# Altium PCB MiniSystem-Pcb-All.PcbDoc (part 4 of 8) (continued)
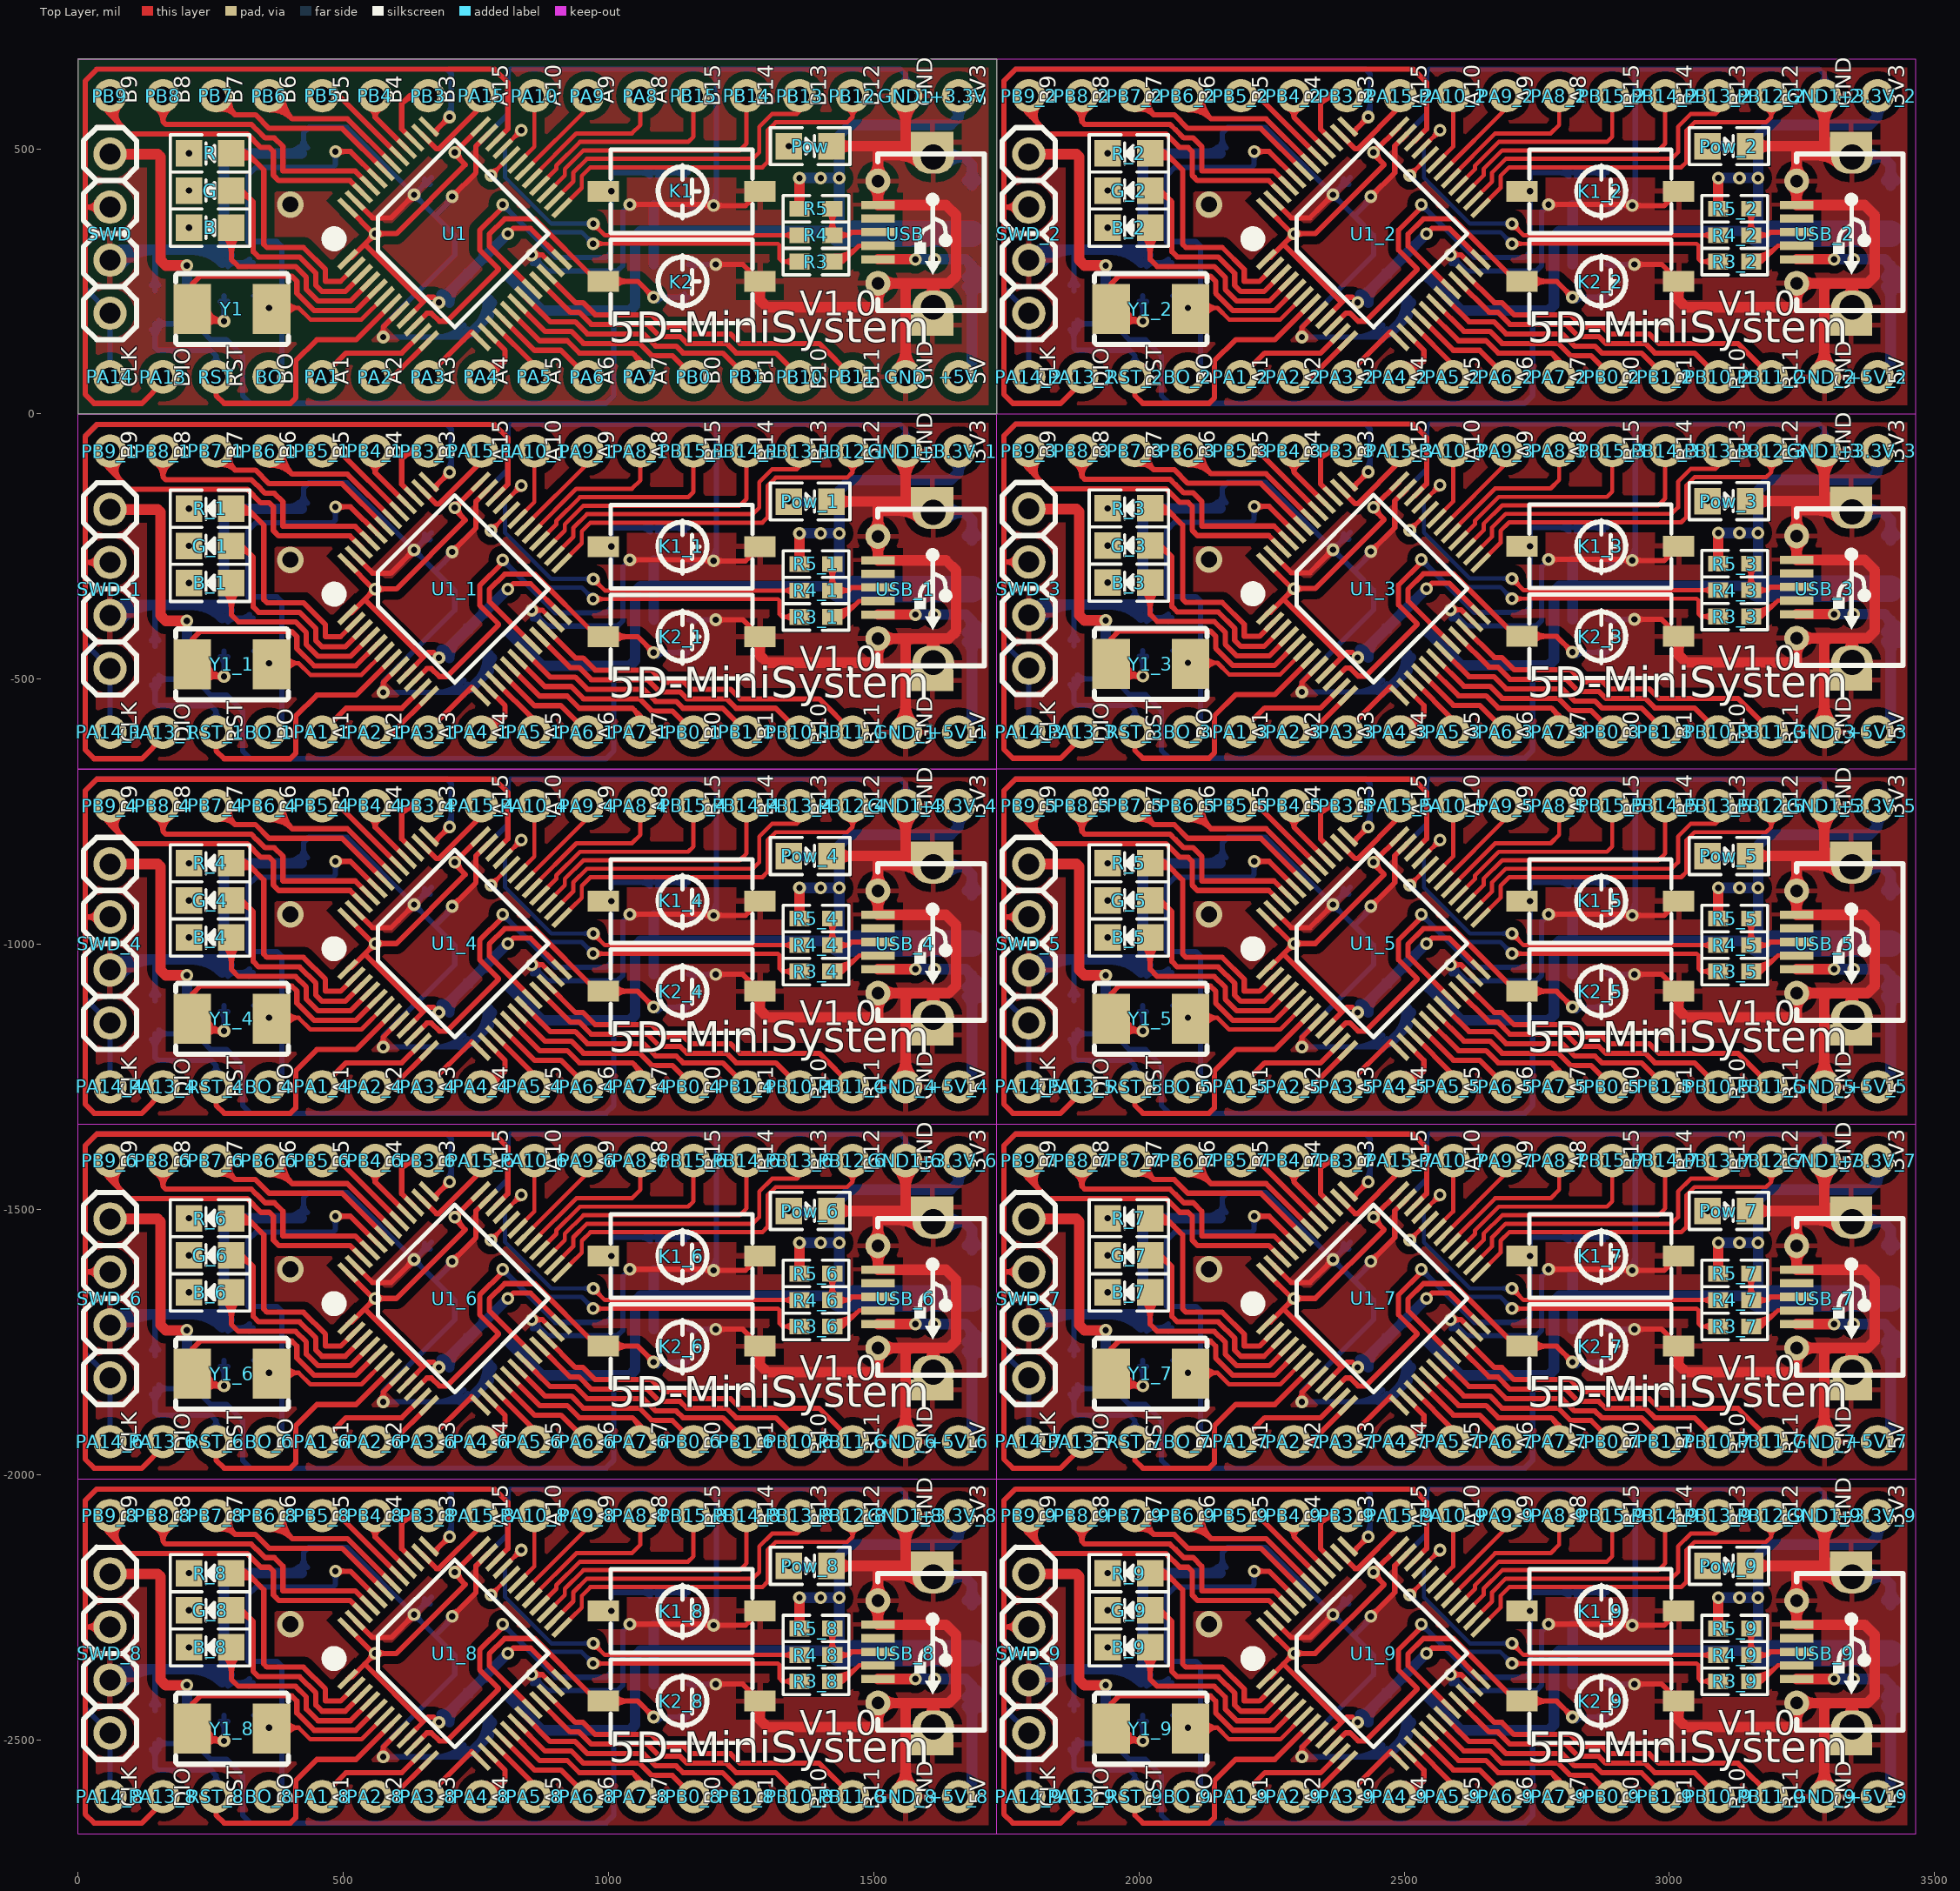
[diagram p0: Top Layer view]
## Nets (pads, with @x,y where several pads share a name; then routed paths per layer and width w, separated by ;. In a path a pad name is that pad's centre, name@x,y a point inside that pad or via, vN(x,y) a via of type N, cw(c..) or ccw(c..) an arc to the next point about the centre after c; other vN are vias at no path point) (continued)
805,-2577.17 ; 771.18,-1913.85 ccw(c783.82,-1886.69) 805,-1907.88 ; 771.18,-1244.56 ccw(c783.82,-1217.4) 805,-1238.58 ; 771.18,-575.98 ccw(c783.82,-548.82) 805,-570 ; 772.64,-2525.08 805,-2557.44 805,-2577.17 ; 772.64,-1186.5 805,-1218.86 805,-1238.58 ; 772.64,-517.91 805,-550.28 805,-570 ; 786.5,-2607.17 cw(c814.25,-2607.17) 794.62,-2587.54 ; 786.5,-1937.87 cw(c814.25,-1937.87) 794.62,-1918.25 ; 786.5,-1268.58 cw(c814.25,-1268.58) 794.62,-1248.96 ; 786.5,-600 cw(c814.25,-600) 794.62,-580.38 ; 786.56,-2511.16 860,-2584.6 860,-2607.17 ; 786.56,-1841.87 860,-1915.31 860,-1937.87 ; 786.56,-1172.58 860,-1246.02 860,-1268.58 ; 786.56,-503.99 860,-577.44 860,-600 ; 792.54,-2403.41 757,-2367.86 757,-2330.77 v1@800,-2287.77 ; 792.54,-1734.12 757,-1698.57 757,-1661.48 v1@800,-1618.48 ; 792.54,-1064.83 757,-1029.28 757,-992.19 v1@800,-949.19 ; 792.54,-396.24 757,-360.7 757,-323.6 v1@800,-280.6 ; 800.48,-2497.24 860.4,-2557.17 910,-2557.17 960,-2607.17 ; 800.48,-1827.95 860.4,-1887.87 910,-1887.87 960,-1937.87 ; 800.48,-1158.66 860.4,-1218.58 910,-1218.58 960,-1268.58 ; 800.48,-490.07 860.4,-550 910,-550 960,-600 ; v1(810,-2337.17) 820,-2327.17 853.11,-2327.17 911.83,-2385.88 ; v1(810,-1667.87) 820,-1657.87 853.11,-1657.87 911.83,-1716.59 ; v1(810,-998.58) 820,-988.58 853.11,-988.58 911.83,-1047.3 ; v1(810,-330) 820,-320 853.11,-320 911.83,-378.72 ; 814.4,-2483.32 870.24,-2539.17 922,-2539.17 945,-2562.17 1045,-2562.17 1060,-2577.17 1060,-2607.17 ; 814.4,-1814.03 870.24,-1869.87 922,-1869.87 945,-1892.87 1045,-1892.87 1060,-1907.87 1060,-1937.87 ; 814.4,-1144.74 870.24,-1200.58 922,-1200.58 945,-1223.58 1045,-1223.58 1060,-1238.58 1060,-1268.58 ; 814.4,-476.15 870.24,-532 922,-532 945,-555 1045,-555 1060,-570 1060,-600 ; 828.31,-2469.4 880.08,-2521.17 929.46,-2521.17 952.46,-2544.17 1058.51,-2544.17 1081.51,-2567.17 1120,-2567.17 1160,-2607.17 ; 828.31,-1800.11 880.08,-1851.87 929.46,-1851.87 952.46,-1874.87 1058.51,-1874.87 1081.51,-1897.87 1120,-1897.87 1160,-1937.87 ; 828.31,-1130.82 880.08,-1182.58 929.46,-1182.58 952.46,-1205.58 1058.51,-1205.58 1081.51,-1228.58 1120,-1228.58 1160,-1268.58 ; 828.31,-462.24 880.08,-514 929.46,-514 952.46,-537 1058.51,-537 1081.51,-560 1120,-560 1160,-600 ; 842.23,-2455.48 889.92,-2503.17 936.91,-2503.17 959.91,-2526.17 1065.97,-2526.17 1088.97,-2549.17 1127.46,-2549.17 1140.46,-2562.17 1215,-2562.17 1260,-2607.17 ; 842.23,-1786.19 889.92,-1833.87 936.91,-1833.87 959.91,-1856.87 1065.97,-1856.87 1088.97,-1879.87 1127.46,-1879.87 1140.46,-1892.87 1215,-1892.87 1260,-1937.87 ; 842.23,-1116.9 889.92,-1164.58 936.91,-1164.58 959.91,-1187.58 1065.97,-1187.58 1088.97,-1210.58 1127.46,-1210.58 1140.46,-1223.58 1215,-1223.58 1260,-1268.58 ; 842.23,-448.32 889.92,-496 936.91,-496 959.91,-519 1065.97,-519 1088.97,-542 1127.46,-542 1140.46,-555 1215,-555 1260,-600 ; v1(855,-2377.17) 875.27,-2377.17 897.91,-2399.8 ; v1(855,-1707.87) 875.27,-1707.87 897.91,-1730.51 ; v1(855,-1038.58) 875.27,-1038.58 897.91,-1061.22 ; v1(855,-370) 875.27,-370 897.91,-392.64 ; 856.15,-2441.56 775,-2360.41 775,-2338.22 804.06,-2309.17 860.57,-2309.17 978.57,-2427.17 990,-2427.17 1055,-2427.17 v1(1085,-2457.17) ; 856.15,-1772.27 775,-1691.12 775,-1668.93 804.06,-1639.87 860.57,-1639.87 978.57,-1757.87 990,-1757.87 1055,-1757.87 v1(1085,-1787.87) ; 856.15,-1102.98 775,-1021.83 775,-999.64 804.06,-970.58 860.57,-970.58 978.57,-1088.58 990,-1088.58 1055,-1088.58 v1(1085,-1118.58) ; 856.15,-434.4 775,-353.24 775,-331.06 804.06,-302 860.57,-302 978.57,-420 990,-420 1055,-420 v1(1085,-450) ; v1@859.95,-2382.12 cw(c871.9,-2394.06) 871.9,-2377.17 cw(c871.9,-2360.27) v1@859.95,-2372.22 ; v1@859.95,-1712.82 cw(c871.9,-1724.77) 871.9,-1707.87 cw(c871.9,-1690.97) v1@859.95,-1702.92 ; v1@859.95,-1043.53 cw(c871.9,-1055.48) 871.9,-1038.58 cw(c871.9,-1021.68) v1@859.95,-1033.63 ; v1@859.95,-374.95 cw(c871.9,-386.9) 871.9,-370 cw(c871.9,-353.1) v1@859.95,-365.05 ; 870.07,-2427.64 927.6,-2485.17 944.37,-2485.17 967.37,-2508.17 1073.42,-2508.17 1096.42,-2531.17 1134.91,-2531.17 1147.91,-2544.17 1222.46,-2544.17 1240.46,-2562.17 1315,-2562.17 1360,-2607.17 ; 870.07,-1758.35 927.6,-1815.87 944.37,-1815.87 967.37,-1838.87 1073.42,-1838.87 1096.42,-1861.87 1134.91,-1861.87 1147.91,-1874.87 1222.46,-1874.87 1240.46,-1892.87 1315,-1892.87 1360,-1937.87 ; 870.07,-1089.06 927.6,-1146.58 944.37,-1146.58 967.37,-1169.58 1073.42,-1169.58 1096.42,-1192.58 1134.91,-1192.58 1147.91,-1205.58 1222.46,-1205.58 1240.46,-1223.58 1315,-1223.58 1360,-1268.58 ; 870.07,-420.48 927.6,-478 944.37,-478 967.37,-501 1073.42,-501 1096.42,-524 1134.91,-524 1147.91,-537 1222.46,-537 1240.46,-555 1315,-555 1360,-600 ; 883.99,-2413.72 937.44,-2467.17 951.82,-2467.17 974.82,-2490.17 1080.88,-2490.17 1103.88,-2513.17 1142.37,-2513.17 1155.37,-2526.17 1229.91,-2526.17 1247.91,-2544.17 1397,-2544.17 1460,-2607.17 ; 883.99,-1744.43 937.44,-1797.87 951.82,-1797.87 974.82,-1820.87 1080.88,-1820.87 1103.88,-1843.87 1142.37,-1843.87 1155.37,-1856.87 1229.91,-1856.87 1247.91,-1874.87 1397,-1874.87 1460,-1937.87 ; 883.99,-1075.14 937.44,-1128.58 951.82,-1128.58 974.82,-1151.58 1080.88,-1151.58 1103.88,-1174.58 1142.37,-1174.58 1155.37,-1187.58 1229.91,-1187.58 1247.91,-1205.58 1397,-1205.58 1460,-1268.58 ; 883.99,-406.56 937.44,-460 951.82,-460 974.82,-483 1080.88,-483 1103.88,-506 1142.37,-506 1155.37,-519 1229.91,-519 1247.91,-537 1397,-537 1460,-600 ; 1010.23,-2437.55 cw(c1035.3,-2462.62) 1035.3,-2427.17 cw(c1035.3,-2391.71) 1010.23,-2416.78 ; 1010.23,-1768.26 cw(c1035.3,-1793.33) 1035.3,-1757.87 cw(c1035.3,-1722.42) 1010.23,-1747.49 ; 1010.23,-1098.97 cw(c1035.3,-1124.04) 1035.3,-1088.58 cw(c1035.3,-1053.13) 1010.23,-1078.2 ; 1010.23,-430.38 cw(c1035.3,-455.45) 1035.3,-420 cw(c1035.3,-384.55) 1010.23,-409.62 ; v1(1040,-2282.17) v1@1196,-2282.17 ; v1(1040,-1612.87) v1@1196,-1612.87 ; v1(1040,-943.58) v1@1196,-943.58 ; v1(1040,-275) v1@1196,-275 ; v1@1044.95,-2287.12 cw(c1056.9,-2299.06) 1056.9,-2282.17 cw(c1056.9,-2265.27) v1@1044.95,-2277.22 ; v1@1044.95,-1617.82 cw(c1056.9,-1629.77) 1056.9,-1612.87 cw(c1056.9,-1595.97) v1@1044.95,-1607.92 ; v1@1044.95,-948.53 cw(c1056.9,-960.48) 1056.9,-943.58 cw(c1056.9,-926.68) v1@1044.95,-938.63 ; v1@1044.95,-279.95 cw(c1056.9,-291.9) 1056.9,-275 cw(c1056.9,-258.1) v1@1044.95,-270.05 ; 1048.87,-2566.03 cw(c1026.23,-2588.66) 1054.3,-2604.04 ; 1048.87,-1896.74 cw(c1026.23,-1919.37) 1054.3,-1934.75 ; 1048.87,-1227.45 cw(c1026.23,-1250.08) 1054.3,-1265.46 ; 1048.87,-558.87 cw(c1026.23,-581.5) 1054.3,-596.88 ; 1058.3,-2575.46 cw(c1038.42,-2595.34) 1063.07,-2608.85 ; 1058.3,-1906.17 cw(c1038.42,-1926.05) 1063.07,-1939.56 ; 1058.3,-1236.88 cw(c1038.42,-1256.76) 1063.07,-1270.27 ; 1058.3,-568.3 cw(c1038.42,-588.18) 1063.07,-601.68 ; v1@1078,-2457.17 ccw(c1061.1,-2457.17) 1073.05,-2445.22 ccw(c1085,-2433.27) v1@1085,-2450.17 ; v1@1078,-1787.87 ccw(c1061.1,-1787.87) 1073.05,-1775.92 ccw(c1085,-1763.97) v1@1085,-1780.87 ; v1@1078,-1118.58 ccw(c1061.1,-1118.58) 1073.05,-1106.63 ccw(c1085,-1094.68) v1@1085,-1111.58 ; v1@1078,-450 ccw(c1061.1,-450) 1073.05,-438.05 ccw(c1085,-426.1) v1@1085,-443 ; 1176.27,-2282.17 cw(c1176.27,-2305.89) v1@1193.05,-2289.12 ; 1176.27,-1612.87 cw(c1176.27,-1636.6) v1@1193.05,-1619.82 ; 1176.27,-943.58 cw(c1176.27,-967.31) v1@1193.05,-950.53 ; 1176.27,-275 cw(c1176.27,-298.73) v1@1193.05,-281.95 ; 1185.93,-2282.17 ccw(c1185.93,-2272.09) v1@1193.05,-2279.22 ; 1185.93,-1612.87 ccw(c1185.93,-1602.8) v1@1193.05,-1609.92 ; 1185.93,-943.58 ccw(c1185.93,-933.51) v1@1193.05,-940.63 ; 1185.93,-275 ccw(c1185.93,-264.93) v1@1193.05,-272.05 ; v1(1198,-2284.17) 1258.28,-2284.17 1285.28,-2257.17 ; v1(1198,-1614.87) 1258.28,-1614.87 1285.28,-1587.87 ; v1(1198,-945.58) 1258.28,-945.58 1285.28,-918.58 ; v1(1198,-277) 1258.28,-277 1285.28,-250 ; v1(1202,-2395.17) 1253.28,-2395.17 1285.28,-2427.17 ; v1(1202,-1725.87) 1253.28,-1725.87 1285.28,-1757.87 ; v1(1202,-1056.58) 1253.28,-1056.58 1285.28,-1088.58 ; v1(1202,-388) 1253.28,-388 1285.28,-420 ; v1@1202.95,-2289.12 cw(c1214.9,-2301.06) 1214.9,-2284.17 cw(c1214.9,-2267.27) v1@1202.95,-2279.22 ; v1@1202.95,-1619.82 cw(c1214.9,-1631.77) 1214.9,-1614.87 cw(c1214.9,-1597.97) v1@1202.95,-1609.92 ; v1@1202.95,-950.53 cw(c1214.9,-962.48) 1214.9,-945.58 cw(c1214.9,-928.68) v1@1202.95,-940.63 ; v1@1202.95,-281.95 cw(c1214.9,-293.9) 1214.9,-277 cw(c1214.9,-260.1) v1@1202.95,-272.05 ; v1@1206.95,-2400.12 cw(c1218.9,-2412.06) 1218.9,-2395.17 cw(c1218.9,-2378.27) v1@1206.95,-2390.22 ; v1@1206.95,-1730.82 cw(c1218.9,-1742.77) 1218.9,-1725.87 cw(c1218.9,-1708.97) v1@1206.95,-1720.92 ; v1@1206.95,-1061.53 cw(c1218.9,-1073.48) 1218.9,-1056.58 cw(c1218.9,-1039.68) v1@1206.95,-1051.63 ; v1@1206.95,-392.95 cw(c1218.9,-404.9) 1218.9,-388 cw(c1218.9,-371.1) v1@1206.95,-383.05 ; 1263.14,-2405.03 cw(c1244.34,-2423.83) 1270.78,-2426.67 ; 1263.14,-1735.74 cw(c1244.34,-1754.54) 1270.78,-1757.37 ; 1263.14,-1066.45 cw(c1244.34,-1085.25) 1270.78,-1088.08 ; 1263.14,-397.86 cw(c1244.34,-416.66) 1270.78,-419.5 ; 1263.2,-2279.24 ccw(c1256.31,-2272.36) 1263.94,-2266.3 ; 1263.2,-1609.95 ccw(c1256.31,-1603.07) 1263.94,-1597.01 ; 1263.2,-940.66 ccw(c1256.31,-933.78) 1263.94,-927.72 ; 1263.2,-272.08 ccw(c1256.31,-265.19) 1263.94,-259.14 ; 1267.17,-2409.06 ccw(c1275.43,-2400.79) 1275.43,-2412.48 ; 1267.17,-2275.27 cw(c1275.43,-2283.54) 1275.43,-2271.85 ; 1267.17,-1739.76 ccw(c1275.43,-1731.5) 1275.43,-1743.19 ; 1267.17,-1605.98 cw(c1275.43,-1614.25) 1275.43,-1602.56 ; 1267.17,-1070.47 ccw(c1275.43,-1062.21) 1275.43,-1073.9 ; 1267.17,-936.69 cw(c1275.43,-944.96) 1275.43,-933.27 ; 1267.17,-401.89 ccw(c1275.43,-393.62) 1275.43,-405.32 ; 1267.17,-268.11 cw(c1275.43,-276.38) 1275.43,-264.68 ; 1414.93,-2333.09 ccw(c1397.86,-2316.02) 1422,-2316.02 ccw(c1446.14,-2316.02) 1429.07,-2333.09 ; 1414.93,-2297.24 cw(c1397.86,-2314.31) 1422,-2314.31 cw(c1446.14,-2314.31) 1429.07,-2297.24 ; 1414.93,-1663.8 ccw(c1397.86,-1646.73) 1422,-1646.73 ccw(c1446.14,-1646.73) 1429.07,-1663.8 ; 1414.93,-1627.95 cw(c1397.86,-1645.02) 1422,-1645.02 cw(c1446.14,-1645.02) 1429.07,-1627.95 ; 1414.93,-994.51 ccw(c1397.86,-977.44) 1422,-977.44 ccw(c1446.14,-977.44) 1429.07,-994.51 ; 1414.93,-958.65 cw(c1397.86,-975.72) 1422,-975.72 cw(c1446.14,-975.72) 1429.07,-958.65 ; 1414.93,-325.93 ccw(c1397.86,-308.86) 1422,-308.86 ccw(c1446.14,-308.86) 1429.07,-325.93 ; 1414.93,-290.07 cw(c1397.86,-307.14) 1422,-307.14 cw(c1446.14,-307.14) 1429.07,-290.07 ; 1422,-2290.17 1422,-2340.17 1452,-2340.17 1457.86,-2334.3 1507.84,-2334.3 ; 1422,-1620.87 1422,-1670.87 1452,-1670.87 1457.86,-1665.01 1507.84,-1665.01 ; 1422,-951.58 1422,-1001.58 1452,-1001.58 1457.86,-995.72 1507.84,-995.72 ; 1422,-283 1422,-333 1452,-333 1457.86,-327.14 1507.84,-327.14 ; 1433.07,-2347.24 cw(c1450.14,-2364.31) 1450.14,-2340.17 cw(c1450.14,-2316.02) 1433.07,-2333.09 ; 1433.07,-1677.95 cw(c1450.14,-1695.02) 1450.14,-1670.87 cw(c1450.14,-1646.73) 1433.07,-1663.8 ; 1433.07,-1008.65 cw(c1450.14,-1025.72) 1450.14,-1001.58 cw(c1450.14,-977.44) 1433.07,-994.51 ; 1433.07,-340.07 cw(c1450.14,-357.14) 1450.14,-333 cw(c1450.14,-308.86) 1433.07,-325.93 ; 1768.37,-2298.57 ccw(c1750.28,-2307.2) 1750.28,-2287.17 ; 1768.37,-2275.76 cw(c1750.28,-2267.13) 1750.28,-2287.17 ; 1768.37,-1629.28 ccw(c1750.28,-1637.91) 1750.28,-1617.87 ; 1768.37,-1606.46 cw(c1750.28,-1597.84) 1750.28,-1617.87 ; 1768.37,-959.99 ccw(c1750.28,-968.62) 1750.28,-948.58 ; 1768.37,-937.17 cw(c1750.28,-928.55) 1750.28,-948.58 ; 1768.37,-290.7 ccw(c1750.28,-299.33) 1750.28,-279.29 ; 1768.37,-267.88 cw(c1750.28,-259.25) 1750.28,-279.29 ; 1768.37,378.59 ccw(c1750.28,369.96) 1750.28,390 ; 1768.37,401.41 cw(c1750.28,410.04) 1750.28,390 ; 1789.77,-2074.72 ccw(c1807.69,-2092.19) 1790,-2109.88 ; 1789.77,-1405.43 ccw(c1807.69,-1422.9) 1790,-1440.59 ; 1789.77,-736.14 ccw(c1807.69,-753.6) 1790,-771.3 ; 1789.77,-66.85 ccw(c1807.69,-84.31) 1790,-102.01 ; 1789.77,602.45 ccw(c1807.69,584.98) 1790,567.29 ; 1792.28,-2287.17 1750.28,-2287.17 ; 1792.28,-2077.17 1792.28,-2112.17 1828.98,-2148.87 2051.03,-2148.87 2076.83,-2174.66 2092.78,-2174.66 2100.28,-2182.17 2100.28,-2226.62 ; 1792.28,-1617.87 1750.28,-1617.87 ; 1792.28,-1407.87 1792.28,-1442.87 1828.98,-1479.57 2051.03,-1479.57 2076.83,-1505.37 2092.78,-1505.37 2100.28,-1512.87 2100.28,-1557.33 ; 1792.28,-948.58 1750.28,-948.58 ; 1792.28,-738.58 1792.28,-773.58 1828.98,-810.28 2051.03,-810.28 2076.83,-836.08 2092.78,-836.08 2100.28,-843.58 2100.28,-888.04 ; 1792.28,-279.29 1750.28,-279.29 ; 1792.28,-69.29 1792.28,-104.29 1828.98,-140.99 2051.03,-140.99 2076.83,-166.79 2092.78,-166.79 2100.28,-174.29 2100.28,-218.75 ; 1792.28,390 1750.28,390 ; 1792.28,600 1792.28,565 1828.98,528.3 2051.03,528.3 2076.83,502.5 2092.78,502.5 2100.28,495 2100.28,450.54 ; 1796.93,-2081.7 ccw(c1814.94,-2099.26) 1797.16,-2117.04 ; 1796.93,-1412.41 ccw(c1814.94,-1429.97) 1797.16,-1447.75 ; 1796.93,-743.12 ccw(c1814.94,-760.67) 1797.16,-778.46 ; 1796.93,-73.83 ccw(c1814.94,-91.38) 1797.16,-109.17 ; 1796.93,595.47 ccw(c1814.94,577.91) 1797.16,560.12 ; 1804.1,-2088.68 ccw(c1822.2,-2106.33) 1804.32,-2124.2 ; 1804.1,-1419.39 ccw(c1822.2,-1437.04) 1804.32,-1454.91 ; 1804.1,-750.1 ccw(c1822.2,-767.74) 1804.32,-785.62 ; 1804.1,-80.81 ccw(c1822.2,-98.45) 1804.32,-116.33 ; 1804.1,588.48 ccw(c1822.2,570.84) 1804.32,552.96 ; 1811.26,-2095.66 ccw(c1829.45,-2113.4) 1811.48,-2131.36 ; 1811.26,-1426.37 ccw(c1829.45,-1444.11) 1811.48,-1462.07 ; 1811.26,-757.08 ccw(c1829.45,-774.82) 1811.48,-792.78 ; 1811.26,-87.79 ccw(c1829.45,-105.52) 1811.48,-123.49 ; 1811.26,581.5 ccw(c1829.45,563.77) 1811.48,545.8 ; 1877.89,-2099.41 cw(c1860.78,-2125.86) 1892.28,-2125.86 ; 1877.89,-1430.12 cw(c1860.78,-1456.57) 1892.28,-1456.57 ; 1877.89,-760.83 cw(c1860.78,-787.28) 1892.28,-787.28 ; 1877.89,-91.54 cw(c1860.78,-117.99) 1892.28,-117.99 ; 1877.89,577.75 cw(c1860.78,551.3) 1892.28,551.3 ; 1892.28,-2607.17 1892.28,-2617.17 1852.28,-2657.17 1762.28,-2657.17 1745.28,-2640.17 1745.28,-2322.17 1745.28,-2049.17 1767.28,-2027.17 2517.28,-2027.17 2542.28,-2052.17 2542.28,-2139.73 2518.84,-2163.17 ; 1892.28,-2077.17 1892.28,-2125.87 ; 1892.28,-1937.87 1892.28,-1947.87 1852.28,-1987.87 1762.28,-1987.87 1745.28,-1970.87 1745.28,-1652.87 1745.28,-1379.87 1767.28,-1357.87 2517.28,-1357.87 2542.28,-1382.87 2542.28,-1470.44 2518.84,-1493.88 ; 1892.28,-1407.87 1892.28,-1456.57 ; 1892.28,-1268.58 1892.28,-1278.58 1852.28,-1318.58 1762.28,-1318.58 1745.28,-1301.58 1745.28,-983.58 1745.28,-710.58 1767.28,-688.58 2517.28,-688.58 2542.28,-713.58 2542.28,-801.15 2518.84,-824.59 ; 1892.28,-738.58 1892.28,-787.28 ; 1892.28,-599.29 1892.28,-609.29 1852.28,-649.29 1762.28,-649.29 1745.28,-632.29 1745.28,-314.29 1745.28,-41.29 1767.28,-19.29 2517.28,-19.29 2542.28,-44.29 2542.28,-131.86 2518.84,-155.3 ; 1892.28,-69.29 1892.28,-117.99 ; 1892.28,70 1892.28,60 1852.28,20 1762.28,20 1745.28,37 1745.28,355 1745.28,628 1767.28,650 2517.28,650 2542.28,625 2542.28,537.44 2518.84,513.99 ; 1892.28,600 1892.28,551.3 ; 1906.68,-2099.41 ccw(c1923.79,-2125.86) 1892.28,-2125.86 ; 1906.68,-1430.12 ccw(c1923.79,-1456.57) 1892.28,-1456.57 ; 1906.68,-760.83 ccw(c1923.79,-787.28) 1892.28,-787.28 ; 1906.68,-91.54 ccw(c1923.79,-117.99) 1892.28,-117.99 ; 1906.68,577.75 ccw(c1923.79,551.3) 1892.28,551.3 ; 1966.64,-2483.88 ccw(c1992.91,-2474.15) 1992.91,-2502.17 ; 1966.64,-1814.59 ccw(c1992.91,-1804.86) 1992.91,-1832.87 ; 1966.64,-1145.3 ccw(c1992.91,-1135.57) 1992.91,-1163.58 ; 1966.64,-476.01 ccw(c1992.91,-466.27) 1992.91,-494.29 ; 1966.64,193.29 ccw(c1992.91,203.02) 1992.91,175 ; 1969,-2512.5 cw(c1993.94,-2537.44) 1993.94,-2502.17 ; 1969,-1843.2 cw(c1993.94,-1868.14) 1993.94,-1832.87 ; 1969,-1173.91 cw(c1993.94,-1198.85) 1993.94,-1163.58 ; 1969,-504.62 cw(c1993.94,-529.56) 1993.94,-494.29 ; 1969,164.67 cw(c1993.94,139.73) 1993.94,175 ; 1976.02,-2480.41 ccw(c2007.28,-2468.83) v1(2007.28,-2502.17) 1970.48,-2502.17 1947.48,-2479.17 1947.48,-2431.97 1962.28,-2417.17 2134.73,-2417.17 2144.52,-2426.95 2144.52,-2449.53 2177.14,-2482.15 2255.54,-2482.15 2296.13,-2441.56 ; 1976.02,-1811.11 ccw(c2007.28,-1799.54) v1(2007.28,-1832.87) 1970.48,-1832.87 1947.48,-1809.87 1947.48,-1762.68 1962.28,-1747.87 2134.73,-1747.87 2144.52,-1757.66 2144.52,-1780.24 2177.14,-1812.86 2255.54,-1812.86 2296.13,-1772.27 ; 1976.02,-1141.82 ccw(c2007.28,-1130.24) v1(2007.28,-1163.58) 1970.48,-1163.58 1947.48,-1140.58 1947.48,-1093.39 1962.28,-1078.58 2134.73,-1078.58 2144.52,-1088.37 2144.52,-1110.95 2177.14,-1143.57 2255.54,-1143.57 2296.13,-1102.98 ; 1976.02,-472.53 ccw(c2007.28,-460.95) v1(2007.28,-494.29) 1970.48,-494.29 1947.48,-471.29 1947.48,-424.09 1962.28,-409.29 2134.73,-409.29 2144.52,-419.08 2144.52,-441.66 2177.14,-474.28 2255.54,-474.28 2296.13,-433.69 ; 1976.02,196.76 ccw(c2007.28,208.34) v1(2007.28,175) 1970.48,175 1947.48,198 1947.48,245.2 1962.28,260 2134.73,260 2144.52,250.21 2144.52,227.63 2177.14,195.01 2255.54,195.01 2296.13,235.6 ; 1992.28,-2607.17 1992.28,-2642.17 2007.28,-2657.17 2132.28,-2657.17 2142.28,-2647.17 2142.28,-2577.17 2182.28,-2537.17 2256.2,-2537.17 2323.97,-2469.4 ; 1992.28,-2082.87 1992.28,-2077.17 2027.98,-2112.87 ; 1992.28,-1937.87 1992.28,-1972.87 2007.28,-1987.87 2132.28,-1987.87 2142.28,-1977.87 2142.28,-1907.87 2182.28,-1867.87 2256.2,-1867.87 2323.97,-1800.11 ; 1992.28,-1413.57 1992.28,-1407.87 2027.98,-1443.57 ; 1992.28,-1268.58 1992.28,-1303.58 2007.28,-1318.58 2132.28,-1318.58 2142.28,-1308.58 2142.28,-1238.58 2182.28,-1198.58 2256.2,-1198.58 2323.97,-1130.82 ; 1992.28,-744.28 1992.28,-738.58 2027.98,-774.28 ; 1992.28,-599.29 1992.28,-634.29 2007.28,-649.29 2132.28,-649.29 2142.28,-639.29 2142.28,-569.29 2182.28,-529.29 2256.2,-529.29 2323.97,-461.53 ; 1992.28,-74.99 1992.28,-69.29 2027.98,-104.99 ; 1992.28,70 1992.28,35 2007.28,20 2132.28,20 2142.28,30 2142.28,100 2182.28,140 2256.2,140 2323.97,207.77 ; 1992.28,594.3 1992.28,600 2027.98,564.3 ; 1997.06,-2103.23 cw(c2003.34,-2137.51) 2027.98,-2112.86 ; 1997.06,-1433.94 cw(c2003.34,-1468.22) 2027.98,-1443.57 ; 1997.06,-764.64 cw(c2003.34,-798.93) 2027.98,-774.28 ; 1997.06,-95.35 cw(c2003.34,-129.63) 2027.98,-104.99 ; 1997.06,573.94 cw(c2003.34,539.66) 2027.98,564.3 ; v1@2002.33,-2507.12 ccw(c1990.38,-2519.06) 1990.38,-2502.17 ccw(c1990.38,-2485.27) v1@2002.33,-2497.22 ; v1@2002.33,-1837.82 ccw(c1990.38,-1849.77) 1990.38,-1832.87 ccw(c1990.38,-1815.97) v1@2002.33,-1827.92 ; v1@2002.33,-1168.53 ccw(c1990.38,-1180.48) 1990.38,-1163.58 ccw(c1990.38,-1146.68) v1@2002.33,-1158.63 ; v1@2002.33,-499.24 ccw(c1990.38,-511.19) 1990.38,-494.29 ccw(c1990.38,-477.39) v1@2002.33,-489.34 ; v1@2002.33,170.05 ccw(c1990.38,158.1) 1990.38,175 ccw(c1990.38,191.9) v1@2002.33,179.95 ; 2006.92,-2340.01 cw(c1972.78,-2374.15) 2021.06,-2374.15 cw(c2069.35,-2374.15) 2035.21,-2340.01 ; 2006.92,-1670.72 cw(c1972.78,-1704.86) 2021.06,-1704.86 cw(c2069.35,-1704.86) 2035.21,-1670.72 ; 2006.92,-1001.43 cw(c1972.78,-1035.57) 2021.06,-1035.57 cw(c2069.35,-1035.57) 2035.21,-1001.43 ; 2006.92,-332.13 cw(c1972.78,-366.28) 2021.06,-366.28 cw(c2069.35,-366.28) 2035.21,-332.13 ; 2006.92,337.16 cw(c1972.78,303.01) 2021.06,303.01 cw(c2069.35,303.01) 2035.21,337.16 ; 2018.35,-2081.94 ccw(c2052.63,-2088.22) 2027.98,-2112.86 ; 2018.35,-1412.65 ccw(c2052.63,-1418.93) 2027.98,-1443.57 ; 2018.35,-743.36 ccw(c2052.63,-749.64) 2027.98,-774.28 ; 2018.35,-74.07 ccw(c2052.63,-80.35) 2027.98,-104.99 ; 2018.35,595.23 ccw(c2052.63,588.94) 2027.98,564.3 ; 2021.06,-2325.87 2021.06,-2385.94 2034.28,-2399.17 2142.19,-2399.17 2162.52,-2419.5 2162.52,-2442.08 2184.6,-2464.15 2245.7,-2464.15 2282.21,-2427.64 ; 2021.06,-1656.57 2021.06,-1716.65 2034.28,-1729.87 2142.19,-1729.87 2162.52,-1750.2 2162.52,-1772.79 2184.6,-1794.86 2245.7,-1794.86 2282.21,-1758.35 ; 2021.06,-987.28 2021.06,-1047.36 2034.28,-1060.58 2142.19,-1060.58 2162.52,-1080.91 2162.52,-1103.49 2184.6,-1125.57 2245.7,-1125.57 2282.21,-1089.06 ; 2021.06,-317.99 2021.06,-378.07 2034.28,-391.29 2142.19,-391.29 2162.52,-411.62 2162.52,-434.2 2184.6,-456.28 2245.7,-456.28 2282.21,-419.77 ; 2021.06,351.3 2021.06,291.22 2034.28,278 2142.19,278 2162.52,257.67 2162.52,235.09 2184.6,213.01 2245.7,213.01 2282.21,249.52 ; 2023.76,-2265.5 cw(c2033.8,-2301.38) 2060.15,-2275.03 ; 2023.76,-1596.2 cw(c2033.8,-1632.09) 2060.15,-1605.74 ; 2023.76,-926.91 cw(c2033.8,-962.8) 2060.15,-936.45 ; 2023.76,-257.62 cw(c2033.8,-293.51) 2060.15,-267.16 ; 2023.76,411.67 cw(c2033.8,375.78) 2060.15,402.13 ; 2027.94,-2193.13 cw(c2043.09,-2209.14) 2058.67,-2193.56 ; 2027.94,-1523.84 cw(c2043.09,-1539.85) 2058.67,-1524.26 ; 2027.94,-854.55 cw(c2043.09,-870.56) 2058.67,-854.97 ; 2027.94,-185.26 cw(c2043.09,-201.27) 2058.67,-185.68 ; 2027.94,484.04 cw(c2043.09,468.02) 2058.67,483.61 ; 2034.81,-2200.39 cw(c2050.15,-2216.62) 2065.94,-2200.83 ; 2034.81,-1531.1 cw(c2050.15,-1547.32) 2065.94,-1531.53 ; 2034.81,-861.81 cw(c2050.15,-878.03) 2065.94,-862.24 ; 2034.81,-192.52 cw(c2050.15,-208.74) 2065.94,-192.95 ; 2034.81,476.77 cw(c2050.15,460.55) 2065.94,476.34 ; 2039.54,-2193.51 cw(c2050.98,-2198.25) 2050.98,-2185.87 ; 2039.54,-2178.22 ccw(c2050.98,-2173.49) 2050.98,-2185.87 ; 2039.54,-1524.22 cw(c2050.98,-1528.96) 2050.98,-1516.57 ; 2039.54,-1508.93 ccw(c2050.98,-1504.19) 2050.98,-1516.57 ; 2039.54,-854.93 cw(c2050.98,-859.66) 2050.98,-847.28 ; 2039.54,-839.64 ccw(c2050.98,-834.9) 2050.98,-847.28 ; 2039.54,-185.64 cw(c2050.98,-190.37) 2050.98,-177.99 ; 2039.54,-170.35 ccw(c2050.98,-165.61) 2050.98,-177.99 ; 2039.54,483.65 cw(c2050.98,478.92) 2050.98,491.3 ; 2039.54,498.95 ccw(c2050.98,503.68) 2050.98,491.3 ; 2048.06,-2262.94 ccw(c2028.51,-2282.49) 2021.06,-2255.87 2040.98,-2255.87 2062.28,-2277.17 2062.28,-2371.17 2072.28,-2381.17 2149.65,-2381.17 2180.52,-2412.04 2180.52,-2434.62 2192.05,-2446.15 2235.86,-2446.15 2268.29,-2413.72 ; 2048.06,-1593.65 ccw(c2028.51,-1613.19) 2021.06,-1586.57 2040.98,-1586.57 2062.28,-1607.87 2062.28,-1701.87 2072.28,-1711.87 2149.65,-1711.87 2180.52,-1742.75 2180.52,-1765.33 2192.05,-1776.86 2235.86,-1776.86 2268.29,-1744.43 ; 2048.06,-924.36 ccw(c2028.51,-943.9) 2021.06,-917.28 2040.98,-917.28 2062.28,-938.58 2062.28,-1032.58 2072.28,-1042.58 2149.65,-1042.58 2180.52,-1073.46 2180.52,-1096.04 2192.05,-1107.57 2235.86,-1107.57 2268.29,-1075.14 ; 2048.06,-255.07 ccw(c2028.51,-274.61) 2021.06,-247.99 2040.98,-247.99 2062.28,-269.29 2062.28,-363.29 2072.28,-373.29 2149.65,-373.29 2180.52,-404.17 2180.52,-426.75 2192.05,-438.28 2235.86,-438.28 2268.29,-405.85 ; 2048.06,414.23 ccw(c2028.51,394.68) 2021.06,421.3 2040.98,421.3 2062.28,400 2062.28,306 2072.28,296 2149.65,296 2180.52,265.13 2180.52,242.54 2192.05,231.01 2235.86,231.01 2268.29,263.44 ; 2051.4,-2186.29 ccw(c2036.02,-2201.67) 2021.06,-2185.87 2050.98,-2185.87 ; 2051.4,-1517 ccw(c2036.02,-1532.38) 2021.06,-1516.57 2050.98,-1516.57 ; 2051.4,-847.7 ccw(c2036.02,-863.09) 2021.06,-847.28 2050.98,-847.28 ; 2051.4,-178.41 ccw(c2036.02,-193.8) 2021.06,-177.99 2050.98,-177.99 ; 2051.4,490.88 ccw(c2036.02,475.49) 2021.06,491.3 2050.98,491.3 ; 2092.28,-2077.17 2135.78,-2120.66 ; 2092.28,-1407.87 2135.78,-1451.37 ; 2092.28,-738.58 2135.78,-782.08 ; 2092.28,-69.29 2135.78,-112.79 ; 2092.28,600 2135.78,556.5 ; 2092.75,-2093.65 cw(c2093.76,-2129.84) 2119.36,-2104.24 cw(c2144.96,-2078.65) 2108.77,-2077.63 ; 2092.75,-1424.36 cw(c2093.76,-1460.55) 2119.36,-1434.95 cw(c2144.96,-1409.35) 2108.77,-1408.34 ; 2092.75,-755.07 cw(c2093.76,-791.26) 2119.36,-765.66 cw(c2144.96,-740.06) 2108.77,-739.05 ; 2092.75,-85.78 cw(c2093.76,-121.97) 2119.36,-96.37 cw(c2144.96,-70.77) 2108.77,-69.75 ; 2092.75,583.51 cw(c2093.76,547.32) 2119.36,572.92 cw(c2144.96,598.52) 2108.77,599.54 ; 2093.03,-2103.65 cw(c2094.66,-2161.78) 2135.78,-2120.66 ; 2093.03,-1434.36 cw(c2094.66,-1492.49) 2135.78,-1451.37 ; 2093.03,-765.07 cw(c2094.66,-823.19) 2135.78,-782.08 ; 2093.03,-95.78 cw(c2094.66,-153.9) 2135.78,-112.79 ; 2093.03,573.51 cw(c2094.66,515.39) 2135.78,556.51 ; 2105.56,-2231.89 2100.28,-2226.62 ; 2105.56,-1562.6 2100.28,-1557.33 ; 2105.56,-893.31 2100.28,-888.04 ; 2105.56,-224.02 2100.28,-218.75 ; 2105.56,445.27 2100.28,450.54 ; 2112.28,-2363.17 2132.28,-2363.17 ; 2112.28,-1693.87 2132.28,-1693.87 ; 2112.28,-1024.58 2132.28,-1024.58 ; 2112.28,-355.29 2132.28,-355.29 ; 2112.28,314 2132.28,314 ; 2118.77,-2077.91 ccw(c2176.89,-2079.54) 2135.78,-2120.66 ; 2118.77,-1408.62 ccw(c2176.89,-1410.25) 2135.78,-1451.37 ; 2118.77,-739.33 ccw(c2176.89,-740.96) 2135.78,-782.08 ; 2118.77,-70.04 ccw(c2176.89,-71.67) 2135.78,-112.79 ; 2118.77,599.26 ccw(c2176.89,597.62) 2135.78,556.51 ; 2123.78,-2138.66 2137.28,-2138.66 ; 2123.78,-1469.37 2137.28,-1469.37 ; 2123.78,-800.08 2137.28,-800.08 ; 2123.78,-130.79 2137.28,-130.79 ; 2123.78,538.5 2137.28,538.5 ; 2192.28,-2607.17 2237.28,-2562.17 2342.56,-2562.17 2379.65,-2525.08 ; 2192.28,-2077.17 2224.04,-2077.17 2337.89,-2191.01 ; 2192.28,-1937.87 2237.28,-1892.87 2342.56,-1892.87 2379.65,-1855.79 ; 2192.28,-1407.87 2224.04,-1407.87 2337.89,-1521.72 ; 2192.28,-1268.58 2237.28,-1223.58 2342.56,-1223.58 2379.65,-1186.49 ; 2192.28,-738.58 2224.04,-738.58 2337.89,-852.43 ; 2192.28,-599.29 2237.28,-554.29 2342.56,-554.29 2379.65,-517.2 ; 2192.28,-69.29 2224.04,-69.29 2337.89,-183.14 ; 2192.28,70 2237.28,115 2342.56,115 2379.65,152.09 ; 2192.28,600 2224.04,600 2337.89,486.15 ; v1(2217.28,-2182.17) 2245.53,-2182.17 2296.13,-2232.77 ; v1(2217.28,-1512.87) 2245.53,-1512.87 2296.13,-1563.48 ; v1(2217.28,-843.58) 2245.53,-843.58 2296.13,-894.19 ; v1(2217.28,-174.29) 2245.53,-174.29 2296.13,-224.9 ; v1(2217.28,495) 2245.53,495 2296.13,444.4 ; v1@2222.23,-2187.12 cw(c2234.18,-2199.06) 2234.18,-2182.17 cw(c2234.18,-2165.27) v1@2222.23,-2177.22 ; v1@2222.23,-1517.82 cw(c2234.18,-1529.77) 2234.18,-1512.87 cw(c2234.18,-1495.97) v1@2222.23,-1507.92 ; v1@2222.23,-848.53 cw(c2234.18,-860.48) 2234.18,-843.58 cw(c2234.18,-826.68) v1@2222.23,-838.63 ; v1@2222.23,-179.24 cw(c2234.18,-191.19) 2234.18,-174.29 cw(c2234.18,-157.39) v1@2222.23,-169.34 ; v1@2222.23,490.05 cw(c2234.18,478.1) 2234.18,495 cw(c2234.18,511.9) v1@2222.23,499.95 ; 2240.45,-2385.88 2244.53,-2381.8 2247.65,-2381.8 2272.28,-2357.17 ; 2240.45,-2288.45 v1@2289.17,-2337.17 ; 2240.45,-1716.59 2244.53,-1712.51 2247.65,-1712.51 2272.28,-1687.87 ; 2240.45,-1619.16 v1@2289.17,-1667.87 ; 2240.45,-1047.3 2244.53,-1043.22 2247.65,-1043.22 2272.28,-1018.58 ; 2240.45,-949.86 v1@2289.17,-998.58 ; 2240.45,-378.01 2244.53,-373.93 2247.65,-373.93 2272.28,-349.29 ; 2240.45,-280.57 v1@2289.17,-329.29 ; 2240.45,291.28 2244.53,295.36 2247.65,295.36 2272.28,320 ; 2240.45,388.72 v1@2289.17,340 ; 2254.37,-2399.8 2227.01,-2427.17 2198.52,-2427.17 2198.52,-2404.58 2157.1,-2363.17 2132.28,-2363.17 ; 2254.37,-2274.53 2287.01,-2307.17 2322.28,-2307.17 v1(2365.64,-2263.81) ; 2254.37,-1730.51 2227.01,-1757.87 2198.52,-1757.87 2198.52,-1735.29 2157.1,-1693.87 2132.28,-1693.87 ; 2254.37,-1605.24 2287.01,-1637.87 2322.28,-1637.87 v1(2365.64,-1594.52) ; 2254.37,-1061.22 2227.01,-1088.58 2198.52,-1088.58 2198.52,-1066 2157.1,-1024.58 2132.28,-1024.58 ; 2254.37,-935.94 2287.01,-968.58 2322.28,-968.58 v1(2365.64,-925.23) ; 2254.37,-391.93 2227.01,-419.29 2198.52,-419.29 2198.52,-396.71 2157.1,-355.29 2132.28,-355.29 ; 2254.37,-266.65 2287.01,-299.29 2322.28,-299.29 v1(2365.64,-255.94) ; 2254.37,277.36 2227.01,250 2198.52,250 2198.52,272.58 2157.1,314 2132.28,314 ; 2254.37,402.64 2287.01,370 2322.28,370 v1(2365.64,413.36) ; 2268.29,-2260.61 2244.85,-2237.17 2110.28,-2237.17 2100.28,-2227.17 2100.28,-2226.62 ; 2268.29,-1591.32 2244.85,-1567.87 2110.28,-1567.87 2100.28,-1557.87 2100.28,-1557.33 ; 2268.29,-922.03 2244.85,-898.58 2110.28,-898.58 2100.28,-888.58 2100.28,-888.04 ; 2268.29,-252.73 2244.85,-229.29 2110.28,-229.29 2100.28,-219.29 2100.28,-218.75 ; 2268.29,416.56 2244.85,440 2110.28,440 2100.28,450 2100.28,450.54 ; 2281.73,-2101.47 cw(c2274.73,-2117.57) 2292.28,-2117.57 ; 2281.73,-1432.18 cw(c2274.73,-1448.27) 2292.28,-1448.27 cw(c2309.84,-1448.27) 2302.84,-1432.18 ; 2281.73,-762.88 cw(c2274.73,-778.98) 2292.28,-778.98 ; 2281.73,-93.59 cw(c2274.73,-109.69) 2292.28,-109.69 ; 2281.73,575.7 cw(c2274.73,559.6) 2292.28,559.6